# Altium PCB ESP32_Demo.PcbDoc (part 7 of 7)
Units mil, origin at the board's own origin, x right, y up, seen from the top; angles counter-clockwise.
Board outline 940.03 x 1085.03 mil, 4 copper layers (TOP1, GND02, MidLayer3, BOTTOM4); 39 components, 58 nets, 242 pads, 201 vias.
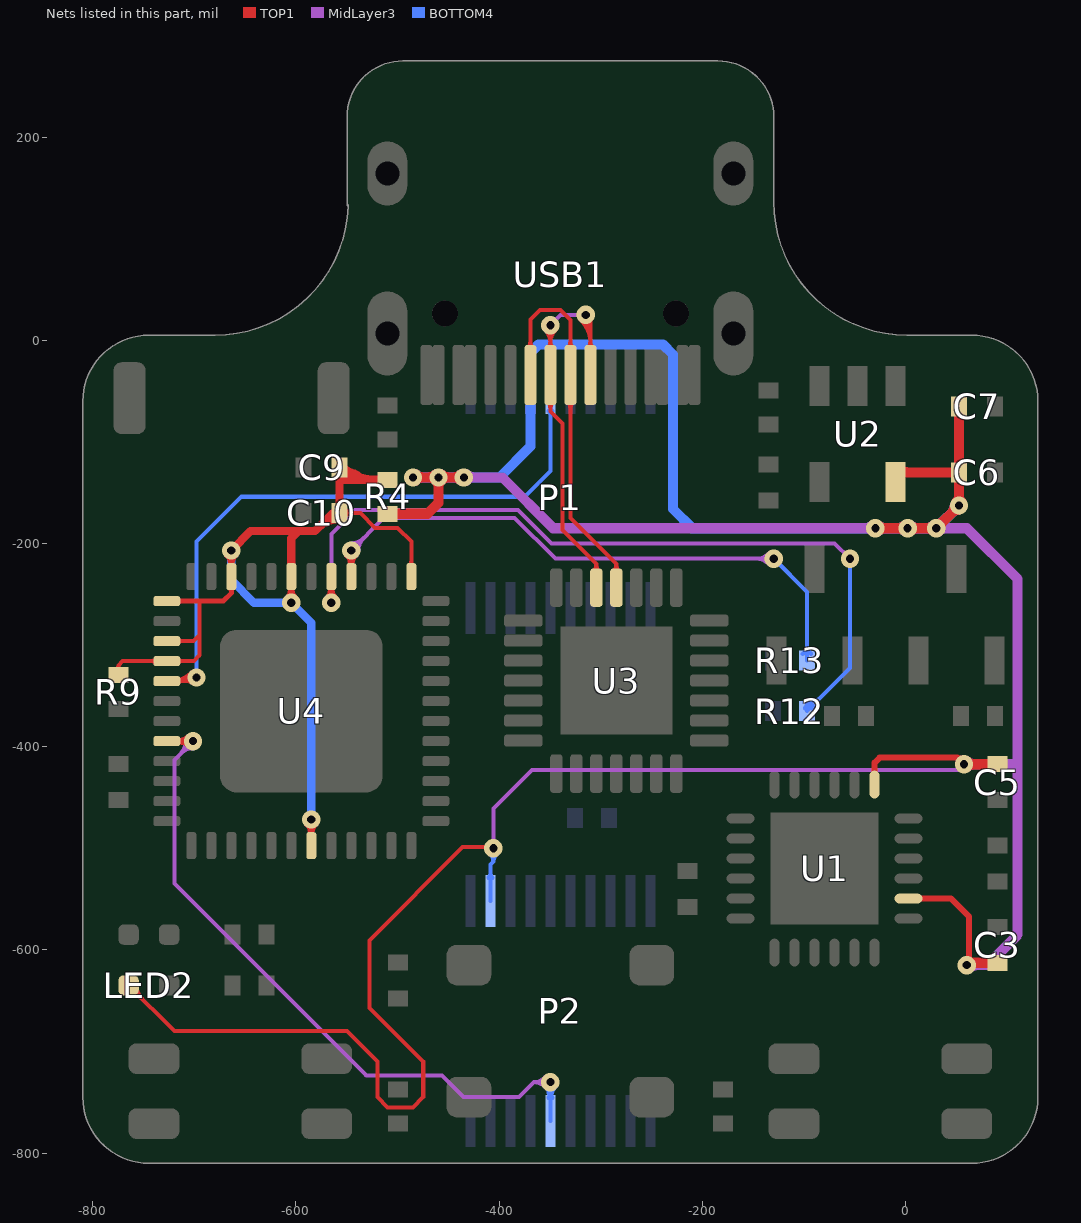
[diagram p9: the nets of this part, all layers, seen from the top]

## Via types
v1: diameter 18, hole 8, TOP1 to BOTTOM4, tented both sides, 201 vias

## Nets (pads, with @x,y where several pads share a name; then routed paths per layer and width w, separated by ;. In a path a pad name is that pad's centre, name@x,y a point inside that pad or via, vN(x,y) a via of type N, cw(c..) or ccw(c..) an arc to the next point about the centre after c; other vN are vias at no path point) (continued)
RXD: R12.2 U4.41 | length 1045.6
  TOP1 w4: v1@-570.19,-253.46 ccw(c-582.14,-241.51) -565.24,-241.51 ccw(c-548.35,-241.51) v1@-560.29,-253.46 ; U4.41@-567.31,-243.05 cw(c-572.3,-248.04) -565.24,-248.04 cw(c-558.19,-248.04) U4.41@-563.18,-243.05 ; -566.86,-247.52 cw(c-560.49,-249.22) U4.41@-563.78,-243.51 ; v1(-565.24,-258.41) U4.41@-565.24,-232.62 ; -563.63,-247.52 ccw(c-570,-249.22) U4.41@-566.71,-243.51 ; U4.41@-566.71,-243.51 cw(c-569.47,-248.3) -564.13,-246.87 ; U4.41@-566.71,-243.51 cw(c-569.47,-248.3) -564.13,-246.87 ; U4.41@-566.71,-243.51 cw(c-569.47,-248.3) -564.13,-246.87 ; U4.41@-566.71,-243.51 cw(c-569.47,-248.3) -564.13,-246.87 ; U4.41@-566.71,-243.51 cw(c-569.47,-248.3) -564.13,-246.87 ; U4.41@-566.71,-243.51 cw(c-569.47,-248.3) -564.13,-246.87 ; U4.41@-566.71,-243.51 cw(c-569.47,-248.3) -564.13,-246.87 ; U4.41@-566.71,-243.51 cw(c-569.47,-248.3) -564.13,-246.87 ; U4.41@-566.71,-243.51 cw(c-569.47,-248.3) -564.13,-246.87 ; -566.36,-246.87 cw(c-561.02,-248.3) U4.41@-563.78,-243.51 ; -566.36,-246.87 cw(c-561.02,-248.3) U4.41@-563.78,-243.51 ; -566.36,-246.87 cw(c-561.02,-248.3) U4.41@-563.78,-243.51 ; -566.36,-246.87 cw(c-561.02,-248.3) U4.41@-563.78,-243.51 ; -566.36,-246.87 cw(c-561.02,-248.3) U4.41@-563.78,-243.51 ; -566.36,-246.87 cw(c-561.02,-248.3) U4.41@-563.78,-243.51 ; -566.36,-246.87 cw(c-561.02,-248.3) U4.41@-563.78,-243.51 ; -566.36,-246.87 cw(c-561.02,-248.3) U4.41@-563.78,-243.51 ; -566.36,-246.87 cw(c-561.02,-248.3) U4.41@-563.78,-243.51
  MidLayer3 w4: v1(-565.24,-258.41) -565.24,-190.47 -541.77,-167 -381.46,-167 -348.46,-200 -69.77,-200 v1(-54.77,-215)
  BOTTOM4 w4: R12.2@-97.06,-365 -54.77,-322.71 v1(-54.77,-215) ; R12.2@-99.08,-362.38 cw(c-89.7,-365.38) R12.2@-92.25,-355.87 ; R12.2@-99.08,-362.38 cw(c-89.7,-365.38) R12.2@-92.25,-355.87 ; R12.2@-99.08,-362.38 cw(c-89.7,-365.38) R12.2@-92.25,-355.87 ; R12.2@-97.06,-361.15 ccw(c-97.06,-351.88) R12.2@-90.5,-358.44 ; R12.2@-97.06,-361.15 ccw(c-97.06,-351.88) R12.2@-90.5,-358.44 ; R12.2@-97.06,-361.15 ccw(c-97.06,-351.88) R12.2@-90.5,-358.44 ; R12.2@-97.06,-357.15 ccw(c-97.06,-338.22) -83.67,-351.61 ; R12.2@-97.06,-357.15 ccw(c-97.06,-338.22) -83.67,-351.61 ; R12.2@-97.06,-357.15 ccw(c-97.06,-338.22) -83.67,-351.61 ; R12.2@-91.18,-363.03 cw(c-81.76,-363.03) -88.42,-356.36 ; R12.2@-91.18,-363.03 cw(c-81.76,-363.03) -88.42,-356.36 ; R12.2@-91.18,-363.03 cw(c-81.76,-363.03) -88.42,-356.36
SENSOR_VN: P2.6 U4.8 | length 978.7
  TOP1 w4: U4.8@-727.15,-394.53 v1(-701.37,-394.53) ; U4.8@-716.72,-396.59 cw(c-711.74,-401.58) -711.74,-394.53 cw(c-711.74,-387.48) U4.8@-716.72,-392.46 ; -712.26,-396.14 cw(c-710.55,-389.77) U4.8@-716.26,-393.07 ; -712.26,-392.92 ccw(c-710.55,-399.28) U4.8@-716.26,-395.99 ; v1@-706.32,-399.48 ccw(c-718.27,-411.43) -718.27,-394.53 ccw(c-718.27,-377.63) v1@-706.32,-389.58 ; U4.8@-716.26,-395.99 cw(c-711.47,-398.75) -712.9,-393.41 ; U4.8@-716.26,-395.99 cw(c-711.47,-398.75) -712.9,-393.41 ; U4.8@-716.26,-395.99 cw(c-711.47,-398.75) -712.9,-393.41 ; U4.8@-716.26,-395.99 cw(c-711.47,-398.75) -712.9,-393.41 ; U4.8@-716.26,-395.99 cw(c-711.47,-398.75) -712.9,-393.41 ; U4.8@-716.26,-395.99 cw(c-711.47,-398.75) -712.9,-393.41 ; U4.8@-716.26,-395.99 cw(c-711.47,-398.75) -712.9,-393.41 ; U4.8@-716.26,-395.99 cw(c-711.47,-398.75) -712.9,-393.41 ; U4.8@-716.26,-395.99 cw(c-711.47,-398.75) -712.9,-393.41 ; U4.8@-716.26,-393.07 ccw(c-711.47,-390.3) -712.9,-395.64 ; U4.8@-716.26,-393.07 ccw(c-711.47,-390.3) -712.9,-395.64 ; U4.8@-716.26,-393.07 ccw(c-711.47,-390.3) -712.9,-395.64 ; U4.8@-716.26,-393.07 ccw(c-711.47,-390.3) -712.9,-395.64 ; U4.8@-716.26,-393.07 ccw(c-711.47,-390.3) -712.9,-395.64 ; U4.8@-716.26,-393.07 ccw(c-711.47,-390.3) -712.9,-395.64 ; U4.8@-716.26,-393.07 ccw(c-711.47,-390.3) -712.9,-395.64 ; U4.8@-716.26,-393.07 ccw(c-711.47,-390.3) -712.9,-395.64 ; U4.8@-716.26,-393.07 ccw(c-711.47,-390.3) -712.9,-395.64
  MidLayer3 w4: v1@-708.37,-394.53 cw(c-725.27,-394.53) -713.32,-406.48 cw(c-701.37,-418.43) v1@-701.37,-401.53 ; v1(-701.37,-394.53) -719.77,-412.93 -719.77,-534.75 -530.84,-723.68 -456.1,-723.68 -435.1,-744.68 -380.43,-744.68 -365.93,-730.18 ; v1@-354.69,-735 ccw(c-365.93,-745.69) -365.93,-730.18 ; v1@-354.69,-725.35 cw(c-365.93,-714.66) -365.93,-730.18 ; v1(-349.61,-730.18) -365.93,-730.18
  BOTTOM4 w4: v1@-354.56,-735.13 cw(c-366.51,-747.08) -349.61,-747.08 cw(c-332.72,-747.08) v1@-344.66,-735.13 ; P2.6@-351.68,-745.53 ccw(c-356.67,-740.55) -349.61,-740.55 ccw(c-342.56,-740.55) P2.6@-347.55,-745.53 ; -351.23,-741.07 ccw(c-344.86,-739.36) P2.6@-348.15,-745.07 ; P2.6@-349.61,-768.27 v1(-349.61,-730.18) ; -348,-741.07 cw(c-354.37,-739.36) P2.6@-351.08,-745.07 ; P2.6@-351.08,-745.07 ccw(c-353.84,-740.28) -348.5,-741.71 ; P2.6@-351.08,-745.07 ccw(c-353.84,-740.28) -348.5,-741.71 ; P2.6@-351.08,-745.07 ccw(c-353.84,-740.28) -348.5,-741.71 ; P2.6@-351.08,-745.07 ccw(c-353.84,-740.28) -348.5,-741.71 ; P2.6@-351.08,-745.07 ccw(c-353.84,-740.28) -348.5,-741.71 ; P2.6@-351.08,-745.07 ccw(c-353.84,-740.28) -348.5,-741.71 ; P2.6@-351.08,-745.07 ccw(c-353.84,-740.28) -348.5,-741.71 ; P2.6@-351.08,-745.07 ccw(c-353.84,-740.28) -348.5,-741.71 ; P2.6@-351.08,-745.07 ccw(c-353.84,-740.28) -348.5,-741.71 ; -350.73,-741.71 ccw(c-345.39,-740.28) P2.6@-348.15,-745.07 ; -350.73,-741.71 ccw(c-345.39,-740.28) P2.6@-348.15,-745.07 ; -350.73,-741.71 ccw(c-345.39,-740.28) P2.6@-348.15,-745.07 ; -350.73,-741.71 ccw(c-345.39,-740.28) P2.6@-348.15,-745.07 ; -350.73,-741.71 ccw(c-345.39,-740.28) P2.6@-348.15,-745.07 ; -350.73,-741.71 ccw(c-345.39,-740.28) P2.6@-348.15,-745.07 ; -350.73,-741.71 ccw(c-345.39,-740.28) P2.6@-348.15,-745.07 ; -350.73,-741.71 ccw(c-345.39,-740.28) P2.6@-348.15,-745.07 ; -350.73,-741.71 ccw(c-345.39,-740.28) P2.6@-348.15,-745.07
SENSOR_VP: P1.15 U4.5 | length 798.1
  TOP1 w4: U4.5@-727.15,-335.47 -701.47,-335.47 v1(-698,-332) ; U4.5@-723.28,-335.47 ccw(c-723.28,-306.72) v1@-702.95,-327.05 ; -713.63,-335.47 ccw(c-713.63,-316.37) v1@-700.12,-329.88 ; -706.52,-335.47 cw(c-706.52,-340.52) v1@-702.95,-336.95 ; U4.5@-716.72,-337.54 cw(c-711.74,-342.52) -711.74,-335.47 ; U4.5@-716.72,-337.54 cw(c-711.74,-342.52) -711.74,-335.47 ; U4.5@-716.72,-337.54 cw(c-711.74,-342.52) -711.74,-335.47 ; U4.5@-716.72,-337.54 cw(c-711.74,-342.52) -711.74,-335.47 ; U4.5@-716.72,-337.54 cw(c-711.74,-342.52) -711.74,-335.47 ; U4.5@-716.72,-337.54 cw(c-711.74,-342.52) -711.74,-335.47 ; U4.5@-716.72,-333.41 ccw(c-711.74,-328.42) -711.74,-335.47 ; U4.5@-716.72,-333.41 ccw(c-711.74,-328.42) -711.74,-335.47 ; U4.5@-716.72,-333.41 ccw(c-711.74,-328.42) -711.74,-335.47 ; U4.5@-716.72,-333.41 ccw(c-711.74,-328.42) -711.74,-335.47 ; U4.5@-716.72,-333.41 ccw(c-711.74,-328.42) -711.74,-335.47 ; U4.5@-716.72,-333.41 ccw(c-711.74,-328.42) -711.74,-335.47
  BOTTOM4 w4: v1(-698,-332) -698,-198.23 -653.77,-154 -374.77,-154 -349.61,-128.84 P1.15@-349.61,-46.73 ; P1.15@-351.68,-69.47 cw(c-356.67,-74.45) -349.61,-74.45 ; P1.15@-351.68,-69.47 cw(c-356.67,-74.45) -349.61,-74.45 ; P1.15@-351.68,-69.47 cw(c-356.67,-74.45) -349.61,-74.45 ; P1.15@-351.68,-69.47 cw(c-356.67,-74.45) -349.61,-74.45 ; P1.15@-351.68,-69.47 cw(c-356.67,-74.45) -349.61,-74.45 ; P1.15@-351.68,-69.47 cw(c-356.67,-74.45) -349.61,-74.45 ; -349.61,-74.45 cw(c-342.56,-74.45) P1.15@-347.55,-69.47 ; -349.61,-74.45 cw(c-342.56,-74.45) P1.15@-347.55,-69.47 ; -349.61,-74.45 cw(c-342.56,-74.45) P1.15@-347.55,-69.47 ; -349.61,-74.45 cw(c-342.56,-74.45) P1.15@-347.55,-69.47 ; -349.61,-74.45 cw(c-342.56,-74.45) P1.15@-347.55,-69.47 ; -349.61,-74.45 cw(c-342.56,-74.45) P1.15@-347.55,-69.47
TXD: R13.2 U4.40 | length 897.7
  TOP1 w4: v1@-550.51,-211.78 cw(c-562.46,-223.73) -545.56,-223.73 cw(c-528.66,-223.73) v1@-540.61,-211.78 ; U4.40@-547.63,-222.19 ccw(c-552.61,-217.2) -545.56,-217.2 ccw(c-538.51,-217.2) U4.40@-543.49,-222.19 ; -547.17,-217.72 ccw(c-540.8,-216.01) U4.40@-544.1,-221.72 ; U4.40@-545.56,-232.62 v1(-545.56,-206.83) ; -543.95,-217.72 cw(c-550.32,-216.01) U4.40@-547.02,-221.72 ; U4.40@-547.02,-221.72 ccw(c-549.78,-216.94) -544.45,-218.37 ; U4.40@-547.02,-221.72 ccw(c-549.78,-216.94) -544.45,-218.37 ; U4.40@-547.02,-221.72 ccw(c-549.78,-216.94) -544.45,-218.37 ; U4.40@-547.02,-221.72 ccw(c-549.78,-216.94) -544.45,-218.37 ; U4.40@-547.02,-221.72 ccw(c-549.78,-216.94) -544.45,-218.37 ; U4.40@-547.02,-221.72 ccw(c-549.78,-216.94) -544.45,-218.37 ; U4.40@-547.02,-221.72 ccw(c-549.78,-216.94) -544.45,-218.37 ; U4.40@-547.02,-221.72 ccw(c-549.78,-216.94) -544.45,-218.37 ; U4.40@-547.02,-221.72 ccw(c-549.78,-216.94) -544.45,-218.37 ; -546.67,-218.37 ccw(c-541.34,-216.94) U4.40@-544.1,-221.72 ; -546.67,-218.37 ccw(c-541.34,-216.94) U4.40@-544.1,-221.72 ; -546.67,-218.37 ccw(c-541.34,-216.94) U4.40@-544.1,-221.72 ; -546.67,-218.37 ccw(c-541.34,-216.94) U4.40@-544.1,-221.72 ; -546.67,-218.37 ccw(c-541.34,-216.94) U4.40@-544.1,-221.72 ; -546.67,-218.37 ccw(c-541.34,-216.94) U4.40@-544.1,-221.72 ; -546.67,-218.37 ccw(c-541.34,-216.94) U4.40@-544.1,-221.72 ; -546.67,-218.37 ccw(c-541.34,-216.94) U4.40@-544.1,-221.72 ; -546.67,-218.37 ccw(c-541.34,-216.94) U4.40@-544.1,-221.72
  MidLayer3 w4: v1(-545.56,-206.83) -513.73,-175 -384.77,-175 -344.77,-215 v1(-129.77,-215) ; v1@-545.56,-199.83 ccw(c-545.56,-182.93) -533.61,-194.88 ccw(c-521.66,-206.83) v1@-538.56,-206.83 ; v1@-134.72,-219.95 ccw(c-146.67,-231.9) -146.67,-215 ccw(c-146.67,-198.1) v1@-134.72,-210.05
  BOTTOM4 w4: v1(-129.77,-215) -97.06,-247.71 R13.2@-97.06,-315 ; R13.2@-101.21,-308.87 ccw(c-111.24,-298.85) -97.06,-298.85 ; R13.2@-101.21,-308.87 ccw(c-111.24,-298.85) -97.06,-298.85 ; R13.2@-101.21,-308.87 ccw(c-111.24,-298.85) -97.06,-298.85 ; R13.2@-101.21,-308.87 ccw(c-111.24,-298.85) -97.06,-298.85 ; R13.2@-101.21,-308.87 ccw(c-111.24,-298.85) -97.06,-298.85 ; R13.2@-101.21,-308.87 ccw(c-111.24,-298.85) -97.06,-298.85 ; -97.06,-298.85 ccw(c-82.88,-298.85) R13.2@-92.91,-308.87 ; -97.06,-298.85 ccw(c-82.88,-298.85) R13.2@-92.91,-308.87 ; -97.06,-298.85 ccw(c-82.88,-298.85) R13.2@-92.91,-308.87 ; -97.06,-298.85 ccw(c-82.88,-298.85) R13.2@-92.91,-308.87 ; -97.06,-298.85 ccw(c-82.88,-298.85) R13.2@-92.91,-308.87 ; -97.06,-298.85 ccw(c-82.88,-298.85) R13.2@-92.91,-308.87
USB_N: U3.5 USB1.A7 USB1.B7 | length 814.8
  TOP1 w4: v1@-354.56,9.89 cw(c-366.51,-2.06) -349.61,-2.06 cw(c-332.72,-2.06) v1@-344.66,9.89 ; v1(-349.61,14.84) USB1.A7@-349.61,-34.21 -349.61,-70 -337.77,-81.84 -337.77,-186.68 -304.46,-220 U3.5@-304.46,-243.5 ; v1@-319.72,20.05 cw(c-342.6,-2.83) -310.24,-2.83 ; v1@-316.89,22.88 cw(c-332.95,6.83) -310.24,6.83 ; v1(-314.77,25) -310.24,20.47 USB1.B7@-310.24,-34.21 ; v1@-314.07,25.71 cw(c-323.29,16.48) -310.24,16.48 ; USB1.A7@-352.38,-60.6 cw(c-359.04,-67.26) -349.61,-67.26 ; USB1.A7@-352.38,-60.6 cw(c-359.04,-67.26) -349.61,-67.26 ; USB1.A7@-352.38,-60.6 cw(c-359.04,-67.26) -349.61,-67.26 ; USB1.A7@-352.38,-60.6 cw(c-359.04,-67.26) -349.61,-67.26 ; USB1.A7@-352.38,-60.6 cw(c-359.04,-67.26) -349.61,-67.26 ; USB1.A7@-352.38,-60.6 cw(c-359.04,-67.26) -349.61,-67.26 ; USB1.A7@-352.38,-7.83 ccw(c-359.04,-1.16) -349.61,-1.16 ; USB1.A7@-352.38,-7.83 ccw(c-359.04,-1.16) -349.61,-1.16 ; USB1.A7@-352.38,-7.83 ccw(c-359.04,-1.16) -349.61,-1.16 ; USB1.A7@-352.38,-7.83 ccw(c-359.04,-1.16) -349.61,-1.16 ; USB1.A7@-352.38,-7.83 ccw(c-359.04,-1.16) -349.61,-1.16 ; USB1.A7@-352.38,-7.83 ccw(c-359.04,-1.16) -349.61,-1.16 ; -349.61,-67.26 cw(c-340.19,-67.26) USB1.A7@-346.85,-60.6 ; -349.61,-67.26 cw(c-340.19,-67.26) USB1.A7@-346.85,-60.6 ; -349.61,-67.26 cw(c-340.19,-67.26) USB1.A7@-346.85,-60.6 ; -349.61,-67.26 cw(c-340.19,-67.26) USB1.A7@-346.85,-60.6 ; -349.61,-67.26 cw(c-340.19,-67.26) USB1.A7@-346.85,-60.6 ; -349.61,-67.26 cw(c-340.19,-67.26) USB1.A7@-346.85,-60.6 ; -349.61,-1.16 ccw(c-340.19,-1.16) USB1.A7@-346.85,-7.83 ; -349.61,-1.16 ccw(c-340.19,-1.16) USB1.A7@-346.85,-7.83 ; -349.61,-1.16 ccw(c-340.19,-1.16) USB1.A7@-346.85,-7.83 ; -349.61,-1.16 ccw(c-340.19,-1.16) USB1.A7@-346.85,-7.83 ; -349.61,-1.16 ccw(c-340.19,-1.16) USB1.A7@-346.85,-7.83 ; -349.61,-1.16 ccw(c-340.19,-1.16) USB1.A7@-346.85,-7.83 ; USB1.B7@-313.01,-7.83 ccw(c-319.67,-1.16) -310.24,-1.16 ; USB1.B7@-313.01,-7.83 ccw(c-319.67,-1.16) -310.24,-1.16 ; USB1.B7@-313.01,-7.83 ccw(c-319.67,-1.16) -310.24,-1.16 ; USB1.B7@-313.01,-7.83 ccw(c-319.67,-1.16) -310.24,-1.16 ; USB1.B7@-313.01,-7.83 ccw(c-319.67,-1.16) -310.24,-1.16 ; USB1.B7@-313.01,-7.83 ccw(c-319.67,-1.16) -310.24,-1.16 ; -310.24,-1.16 ccw(c-300.82,-1.16) USB1.B7@-307.48,-7.83 ; -310.24,-1.16 ccw(c-300.82,-1.16) USB1.B7@-307.48,-7.83 ; -310.24,-1.16 ccw(c-300.82,-1.16) USB1.B7@-307.48,-7.83 ; -310.24,-1.16 ccw(c-300.82,-1.16) USB1.B7@-307.48,-7.83 ; -310.24,-1.16 ccw(c-300.82,-1.16) USB1.B7@-307.48,-7.83 ; -310.24,-1.16 ccw(c-300.82,-1.16) USB1.B7@-307.48,-7.83 ; U3.5@-307.29,-227.67 ccw(c-314.11,-220.84) -304.46,-220.84 ; U3.5@-307.29,-227.67 ccw(c-314.11,-220.84) -304.46,-220.84 ; U3.5@-307.29,-227.67 ccw(c-314.11,-220.84) -304.46,-220.84 ; U3.5@-307.29,-227.67 ccw(c-314.11,-220.84) -304.46,-220.84 ; U3.5@-307.29,-227.67 ccw(c-314.11,-220.84) -304.46,-220.84 ; U3.5@-307.29,-227.67 ccw(c-314.11,-220.84) -304.46,-220.84 ; -304.46,-220.84 ccw(c-294.8,-220.84) U3.5@-301.63,-227.67 ; -304.46,-220.84 ccw(c-294.8,-220.84) U3.5@-301.63,-227.67 ; -304.46,-220.84 ccw(c-294.8,-220.84) U3.5@-301.63,-227.67 ; -304.46,-220.84 ccw(c-294.8,-220.84) U3.5@-301.63,-227.67 ; -304.46,-220.84 ccw(c-294.8,-220.84) U3.5@-301.63,-227.67 ; -304.46,-220.84 ccw(c-294.8,-220.84) U3.5@-301.63,-227.67
  MidLayer3 w4: v1(-349.61,14.84) -339.46,25 v1(-314.77,25)
USB_P: U3.4 USB1.A6 USB1.B6 | length 742
  TOP1 w4: USB1.B6@-369.3,-34.21 -369.3,20.47 -359.77,30 -339.77,30 -329.93,20.16 USB1.A6@-329.93,-34.21 -329.93,-70 -329.77,-70.16 -329.77,-175 -284.77,-220 U3.4@-284.77,-243.5 ; USB1.B6@-372.06,-7.83 ccw(c-378.73,-1.16) -369.3,-1.16 ; USB1.B6@-372.06,-7.83 ccw(c-378.73,-1.16) -369.3,-1.16 ; USB1.B6@-372.06,-7.83 ccw(c-378.73,-1.16) -369.3,-1.16 ; USB1.B6@-372.06,-7.83 ccw(c-378.73,-1.16) -369.3,-1.16 ; USB1.B6@-372.06,-7.83 ccw(c-378.73,-1.16) -369.3,-1.16 ; USB1.B6@-372.06,-7.83 ccw(c-378.73,-1.16) -369.3,-1.16 ; -369.3,-1.16 ccw(c-359.87,-1.16) USB1.B6@-366.54,-7.83 ; -369.3,-1.16 ccw(c-359.87,-1.16) USB1.B6@-366.54,-7.83 ; -369.3,-1.16 ccw(c-359.87,-1.16) USB1.B6@-366.54,-7.83 ; -369.3,-1.16 ccw(c-359.87,-1.16) USB1.B6@-366.54,-7.83 ; -369.3,-1.16 ccw(c-359.87,-1.16) USB1.B6@-366.54,-7.83 ; -369.3,-1.16 ccw(c-359.87,-1.16) USB1.B6@-366.54,-7.83 ; USB1.A6@-332.69,-60.6 cw(c-339.36,-67.26) -329.93,-67.26 ; USB1.A6@-332.69,-60.6 cw(c-339.36,-67.26) -329.93,-67.26 ; USB1.A6@-332.69,-60.6 cw(c-339.36,-67.26) -329.93,-67.26 ; USB1.A6@-332.69,-60.6 cw(c-339.36,-67.26) -329.93,-67.26 ; USB1.A6@-332.69,-60.6 cw(c-339.36,-67.26) -329.93,-67.26 ; USB1.A6@-332.69,-60.6 cw(c-339.36,-67.26) -329.93,-67.26 ; USB1.A6@-332.69,-7.83 ccw(c-339.36,-1.16) -329.93,-1.16 ; USB1.A6@-332.69,-7.83 ccw(c-339.36,-1.16) -329.93,-1.16 ; USB1.A6@-332.69,-7.83 ccw(c-339.36,-1.16) -329.93,-1.16 ; USB1.A6@-332.69,-7.83 ccw(c-339.36,-1.16) -329.93,-1.16 ; USB1.A6@-332.69,-7.83 ccw(c-339.36,-1.16) -329.93,-1.16 ; USB1.A6@-332.69,-7.83 ccw(c-339.36,-1.16) -329.93,-1.16 ; -329.93,-67.26 cw(c-320.5,-67.26) USB1.A6@-327.17,-60.6 ; -329.93,-67.26 cw(c-320.5,-67.26) USB1.A6@-327.17,-60.6 ; -329.93,-67.26 cw(c-320.5,-67.26) USB1.A6@-327.17,-60.6 ; -329.93,-67.26 cw(c-320.5,-67.26) USB1.A6@-327.17,-60.6 ; -329.93,-67.26 cw(c-320.5,-67.26) USB1.A6@-327.17,-60.6 ; -329.93,-67.26 cw(c-320.5,-67.26) USB1.A6@-327.17,-60.6 ; -329.93,-1.16 ccw(c-320.5,-1.16) USB1.A6@-327.17,-7.83 ; -329.93,-1.16 ccw(c-320.5,-1.16) USB1.A6@-327.17,-7.83 ; -329.93,-1.16 ccw(c-320.5,-1.16) USB1.A6@-327.17,-7.83 ; -329.93,-1.16 ccw(c-320.5,-1.16) USB1.A6@-327.17,-7.83 ; -329.93,-1.16 ccw(c-320.5,-1.16) USB1.A6@-327.17,-7.83 ; -329.93,-1.16 ccw(c-320.5,-1.16) USB1.A6@-327.17,-7.83 ; U3.4@-287.6,-227.67 ccw(c-294.43,-220.84) -284.77,-220.84 ; U3.4@-287.6,-227.67 ccw(c-294.43,-220.84) -284.77,-220.84 ; U3.4@-287.6,-227.67 ccw(c-294.43,-220.84) -284.77,-220.84 ; U3.4@-287.6,-227.67 ccw(c-294.43,-220.84) -284.77,-220.84 ; U3.4@-287.6,-227.67 ccw(c-294.43,-220.84) -284.77,-220.84 ; U3.4@-287.6,-227.67 ccw(c-294.43,-220.84) -284.77,-220.84 ; -284.77,-220.84 ccw(c-275.12,-220.84) U3.4@-281.94,-227.67 ; -284.77,-220.84 ccw(c-275.12,-220.84) U3.4@-281.94,-227.67 ; -284.77,-220.84 ccw(c-275.12,-220.84) U3.4@-281.94,-227.67 ; -284.77,-220.84 ccw(c-275.12,-220.84) U3.4@-281.94,-227.67 ; -284.77,-220.84 ccw(c-275.12,-220.84) U3.4@-281.94,-227.67 ; -284.77,-220.84 ccw(c-275.12,-220.84) U3.4@-281.94,-227.67
VCC33A: C9.2 C10.2 R4.2 R9.1 U4.1 U4.3 U4.4 U4.19 U4.37 U4.43 U4.46 | length 3137.3
  TOP1 w4: R9.1@-774.78,-329.25 -774.78,-320 ; U4.3@-727.15,-296.1 -700.87,-296.1 -694.77,-290 ; -694.77,-256.73 -694.77,-290 ; v1@-668.62,-211.78 cw(c-680.57,-223.73) -663.67,-223.73 cw(c-646.77,-223.73) v1@-658.72,-211.78 ; U4.46@-665.74,-222.19 ccw(c-670.72,-217.2) -663.67,-217.2 ccw(c-656.62,-217.2) U4.46@-661.6,-222.19 ; -665.28,-217.72 ccw(c-658.91,-216.01) U4.46@-662.21,-221.72 ; U4.46@-663.67,-232.62 v1(-663.67,-206.83) ; -662.06,-217.72 cw(c-668.43,-216.01) U4.46@-665.13,-221.72 ; v1@-609.56,-253.46 ccw(c-621.51,-241.51) -604.61,-241.51 ccw(c-587.72,-241.51) v1@-599.67,-253.46 ; U4.43@-606.68,-243.05 cw(c-611.67,-248.04) -604.61,-248.04 cw(c-597.56,-248.04) U4.43@-602.55,-243.05 ; -606.23,-247.52 cw(c-599.86,-249.22) U4.43@-603.15,-243.51 ; v1(-604.61,-258.41) U4.43@-604.61,-232.62 ; -603,-247.52 ccw(c-609.37,-249.22) U4.43@-606.08,-243.51 ; v1@-589.88,-476.54 cw(c-601.83,-488.49) -584.93,-488.49 cw(c-568.03,-488.49) v1@-579.98,-476.54 ; U4.19@-587,-486.95 ccw(c-591.98,-481.96) -584.93,-481.96 ccw(c-577.88,-481.96) U4.19@-582.86,-486.95 ; -586.54,-482.48 ccw(c-580.17,-480.78) U4.19@-583.47,-486.49 ; U4.19@-584.93,-497.38 v1(-584.93,-471.59) ; -583.32,-482.48 cw(c-589.69,-480.78) U4.19@-586.39,-486.49 ; C10.2@-557.06,-170 -536.72,-170 -522.1,-184.63 -500.15,-184.63 -486.5,-198.27 U4.37@-486.5,-232.62 ; R9.1@-777.27,-323.93 ccw(c-779.11,-320) -774.78,-320 ; R9.1@-777.27,-323.93 ccw(c-779.11,-320) -774.78,-320 ; R9.1@-777.27,-323.93 ccw(c-779.11,-320) -774.78,-320 ; R9.1@-777.27,-323.93 ccw(c-779.11,-320) -774.78,-320 ; R9.1@-777.27,-323.93 ccw(c-779.11,-320) -774.78,-320 ; R9.1@-777.27,-323.93 ccw(c-779.11,-320) -774.78,-320 ; -774.78,-320 ccw(c-770.44,-320) R9.1@-772.28,-323.93 ; -774.78,-320 ccw(c-770.44,-320) R9.1@-772.28,-323.93 ; -774.78,-320 ccw(c-770.44,-320) R9.1@-772.28,-323.93 ; -774.78,-320 ccw(c-770.44,-320) R9.1@-772.28,-323.93 ; -774.78,-320 ccw(c-770.44,-320) R9.1@-772.28,-323.93 ; -774.78,-320 ccw(c-770.44,-320) R9.1@-772.28,-323.93 ; -774.78,-320 -770.56,-315.79 U4.4@-727.15,-315.79 -700.56,-315.79 -694.77,-310 -694.77,-290 ; -742.57,-315.79 cw(c-742.57,-322.84) U4.4@-737.59,-317.85 ; -742.57,-315.79 ccw(c-742.57,-308.74) U4.4@-737.59,-313.72 ; -742.57,-315.79 cw(c-742.57,-322.84) U4.4@-737.59,-317.85 ; -742.57,-315.79 ccw(c-742.57,-308.74) U4.4@-737.59,-313.72 ; -742.57,-315.79 cw(c-742.57,-322.84) U4.4@-737.59,-317.85 ; -742.57,-315.79 ccw(c-742.57,-308.74) U4.4@-737.59,-313.72 ; -742.57,-315.79 cw(c-742.57,-322.84) U4.4@-737.59,-317.85 ; -742.57,-315.79 ccw(c-742.57,-308.74) U4.4@-737.59,-313.72 ; -742.57,-315.79 cw(c-742.57,-322.84) U4.4@-737.59,-317.85 ; -742.57,-315.79 ccw(c-742.57,-308.74) U4.4@-737.59,-313.72 ; -742.57,-315.79 ccw(c-742.57,-308.74) U4.4@-737.59,-313.72 ; -742.57,-315.79 cw(c-742.57,-322.84) U4.4@-737.59,-317.85 ; U4.4@-716.72,-317.85 cw(c-711.74,-322.84) -711.74,-315.79 ; U4.4@-716.72,-317.85 cw(c-711.74,-322.84) -711.74,-315.79 ; U4.4@-716.72,-317.85 cw(c-711.74,-322.84) -711.74,-315.79 ; U4.4@-716.72,-317.85 cw(c-711.74,-322.84) -711.74,-315.79 ; U4.4@-716.72,-317.85 cw(c-711.74,-322.84) -711.74,-315.79 ; U4.4@-716.72,-317.85 cw(c-711.74,-322.84) -711.74,-315.79 ; U4.4@-716.72,-313.72 ccw(c-711.74,-308.74) -711.74,-315.79 ; U4.4@-716.72,-313.72 ccw(c-711.74,-308.74) -711.74,-315.79 ; U4.4@-716.72,-313.72 ccw(c-711.74,-308.74) -711.74,-315.79 ; U4.4@-716.72,-313.72 ccw(c-711.74,-308.74) -711.74,-315.79 ; U4.4@-716.72,-313.72 ccw(c-711.74,-308.74) -711.74,-315.79 ; U4.4@-716.72,-313.72 ccw(c-711.74,-308.74) -711.74,-315.79 ; U4.3@-716.72,-298.17 cw(c-711.74,-303.15) -711.74,-296.1 ; U4.3@-716.72,-298.17 cw(c-711.74,-303.15) -711.74,-296.1 ; U4.3@-716.72,-298.17 cw(c-711.74,-303.15) -711.74,-296.1 ; U4.3@-716.72,-298.17 cw(c-711.74,-303.15) -711.74,-296.1 ; U4.3@-716.72,-298.17 cw(c-711.74,-303.15) -711.74,-296.1 ; U4.3@-716.72,-298.17 cw(c-711.74,-303.15) -711.74,-296.1 ; U4.3@-716.72,-294.04 ccw(c-711.74,-289.05) -711.74,-296.1 ; U4.3@-716.72,-294.04 ccw(c-711.74,-289.05) -711.74,-296.1 ; U4.3@-716.72,-294.04 ccw(c-711.74,-289.05) -711.74,-296.1 ; U4.3@-716.72,-294.04 ccw(c-711.74,-289.05) -711.74,-296.1 ; U4.3@-716.72,-294.04 ccw(c-711.74,-289.05) -711.74,-296.1 ; U4.3@-716.72,-294.04 ccw(c-711.74,-289.05) -711.74,-296.1 ; U4.46@-665.13,-221.72 ccw(c-667.89,-216.94) -662.56,-218.37 ; U4.46@-665.13,-221.72 ccw(c-667.89,-216.94) -662.56,-218.37 ; U4.46@-665.13,-221.72 ccw(c-667.89,-216.94) -662.56,-218.37 ; U4.46@-665.13,-221.72 ccw(c-667.89,-216.94) -662.56,-218.37 ; U4.46@-665.13,-221.72 ccw(c-667.89,-216.94) -662.56,-218.37 ; U4.46@-665.13,-221.72 ccw(c-667.89,-216.94) -662.56,-218.37 ; U4.46@-665.13,-221.72 ccw(c-667.89,-216.94) -662.56,-218.37 ; U4.46@-665.13,-221.72 ccw(c-667.89,-216.94) -662.56,-218.37 ; U4.46@-665.13,-221.72 ccw(c-667.89,-216.94) -662.56,-218.37 ; -664.78,-218.37 ccw(c-659.45,-216.94) U4.46@-662.21,-221.72 ; -664.78,-218.37 ccw(c-659.45,-216.94) U4.46@-662.21,-221.72 ; -664.78,-218.37 ccw(c-659.45,-216.94) U4.46@-662.21,-221.72 ; -664.78,-218.37 ccw(c-659.45,-216.94) U4.46@-662.21,-221.72 ; -664.78,-218.37 ccw(c-659.45,-216.94) U4.46@-662.21,-221.72 ; -664.78,-218.37 ccw(c-659.45,-216.94) U4.46@-662.21,-221.72 ; -664.78,-218.37 ccw(c-659.45,-216.94) U4.46@-662.21,-221.72 ; -664.78,-218.37 ccw(c-659.45,-216.94) U4.46@-662.21,-221.72 ; -664.78,-218.37 ccw(c-659.45,-216.94) U4.46@-662.21,-221.72 ; U4.43@-606.08,-243.51 cw(c-608.84,-248.3) -603.5,-246.87 ; U4.43@-606.08,-243.51 cw(c-608.84,-248.3) -603.5,-246.87 ; U4.43@-606.08,-243.51 cw(c-608.84,-248.3) -603.5,-246.87 ; U4.43@-606.08,-243.51 cw(c-608.84,-248.3) -603.5,-246.87 ; U4.43@-606.08,-243.51 cw(c-608.84,-248.3) -603.5,-246.87 ; U4.43@-606.08,-243.51 cw(c-608.84,-248.3) -603.5,-246.87 ; U4.43@-606.08,-243.51 cw(c-608.84,-248.3) -603.5,-246.87 ; U4.43@-606.08,-243.51 cw(c-608.84,-248.3) -603.5,-246.87 ; U4.43@-606.08,-243.51 cw(c-608.84,-248.3) -603.5,-246.87 ; -605.73,-246.87 cw(c-600.39,-248.3) U4.43@-603.15,-243.51 ; -605.73,-246.87 cw(c-600.39,-248.3) U4.43@-603.15,-243.51 ; -605.73,-246.87 cw(c-600.39,-248.3) U4.43@-603.15,-243.51 ; -605.73,-246.87 cw(c-600.39,-248.3) U4.43@-603.15,-243.51 ; -605.73,-246.87 cw(c-600.39,-248.3) U4.43@-603.15,-243.51 ; -605.73,-246.87 cw(c-600.39,-248.3) U4.43@-603.15,-243.51 ; -605.73,-246.87 cw(c-600.39,-248.3) U4.43@-603.15,-243.51 ; -605.73,-246.87 cw(c-600.39,-248.3) U4.43@-603.15,-243.51 ; -605.73,-246.87 cw(c-600.39,-248.3) U4.43@-603.15,-243.51 ; U4.19@-586.39,-486.49 ccw(c-589.15,-481.7) -583.82,-483.13 ; U4.19@-586.39,-486.49 ccw(c-589.15,-481.7) -583.82,-483.13 ; U4.19@-586.39,-486.49 ccw(c-589.15,-481.7) -583.82,-483.13 ; U4.19@-586.39,-486.49 ccw(c-589.15,-481.7) -583.82,-483.13 ; U4.19@-586.39,-486.49 ccw(c-589.15,-481.7) -583.82,-483.13 ; U4.19@-586.39,-486.49 ccw(c-589.15,-481.7) -583.82,-483.13 ; U4.19@-586.39,-486.49 ccw(c-589.15,-481.7) -583.82,-483.13 ; U4.19@-586.39,-486.49 ccw(c-589.15,-481.7) -583.82,-483.13 ; U4.19@-586.39,-486.49 ccw(c-589.15,-481.7) -583.82,-483.13 ; -586.04,-483.13 ccw(c-580.71,-481.7) U4.19@-583.47,-486.49 ; -586.04,-483.13 ccw(c-580.71,-481.7) U4.19@-583.47,-486.49 ; -586.04,-483.13 ccw(c-580.71,-481.7) U4.19@-583.47,-486.49 ; -586.04,-483.13 ccw(c-580.71,-481.7) U4.19@-583.47,-486.49 ; -586.04,-483.13 ccw(c-580.71,-481.7) U4.19@-583.47,-486.49 ; -586.04,-483.13 ccw(c-580.71,-481.7) U4.19@-583.47,-486.49 ; -586.04,-483.13 ccw(c-580.71,-481.7) U4.19@-583.47,-486.49 ; -586.04,-483.13 ccw(c-580.71,-481.7) U4.19@-583.47,-486.49 ; -586.04,-483.13 ccw(c-580.71,-481.7) U4.19@-583.47,-486.49 ; C10.2@-552.91,-174.16 cw(c-542.88,-184.18) -542.88,-170 ; C10.2@-552.91,-174.16 cw(c-542.88,-184.18) -542.88,-170 ; C10.2@-552.91,-174.16 cw(c-542.88,-184.18) -542.88,-170 ; C10.2@-552.91,-174.16 cw(c-542.88,-184.18) -542.88,-170 ; C10.2@-552.91,-174.16 cw(c-542.88,-184.18) -542.88,-170 ; C10.2@-552.91,-174.16 cw(c-542.88,-184.18) -542.88,-170 ; C10.2@-552.91,-165.85 ccw(c-542.88,-155.82) -542.88,-170 ; C10.2@-552.91,-165.85 ccw(c-542.88,-155.82) -542.88,-170 ; C10.2@-552.91,-165.85 ccw(c-542.88,-155.82) -542.88,-170 ; C10.2@-552.91,-165.85 ccw(c-542.88,-155.82) -542.88,-170 ; C10.2@-552.91,-165.85 ccw(c-542.88,-155.82) -542.88,-170 ; C10.2@-552.91,-165.85 ccw(c-542.88,-155.82) -542.88,-170 ; U4.37@-488.57,-222.19 ccw(c-493.56,-217.2) -486.5,-217.2 ; U4.37@-488.57,-222.19 ccw(c-493.56,-217.2) -486.5,-217.2 ; U4.37@-488.57,-222.19 ccw(c-493.56,-217.2) -486.5,-217.2 ; U4.37@-488.57,-222.19 ccw(c-493.56,-217.2) -486.5,-217.2 ; U4.37@-488.57,-222.19 ccw(c-493.56,-217.2) -486.5,-217.2 ; U4.37@-488.57,-222.19 ccw(c-493.56,-217.2) -486.5,-217.2 ; -486.5,-217.2 ccw(c-479.45,-217.2) U4.37@-484.44,-222.19 ; -486.5,-217.2 ccw(c-479.45,-217.2) U4.37@-484.44,-222.19 ; -486.5,-217.2 ccw(c-479.45,-217.2) U4.37@-484.44,-222.19 ; -486.5,-217.2 ccw(c-479.45,-217.2) U4.37@-484.44,-222.19 ; -486.5,-217.2 ccw(c-479.45,-217.2) U4.37@-484.44,-222.19 ; -486.5,-217.2 ccw(c-479.45,-217.2) U4.37@-484.44,-222.19